# Altium PCB FPGA_Module.PcbDoc (part 2 of 5)
Units mm, origin at the board's own origin, x right, y up, seen from the top; angles counter-clockwise.
Board outline 40 x 50 mm, 6 copper layers (Top Layer, Int1 (GND), Int2 (Sign), Int3 (Sign), Int4 (GND), Bottom Layer), stack 1.49 mm thick; 168 components, 205 nets, 1176 pads, 667 vias.
Unrouted connection lines stored in the file: 1.
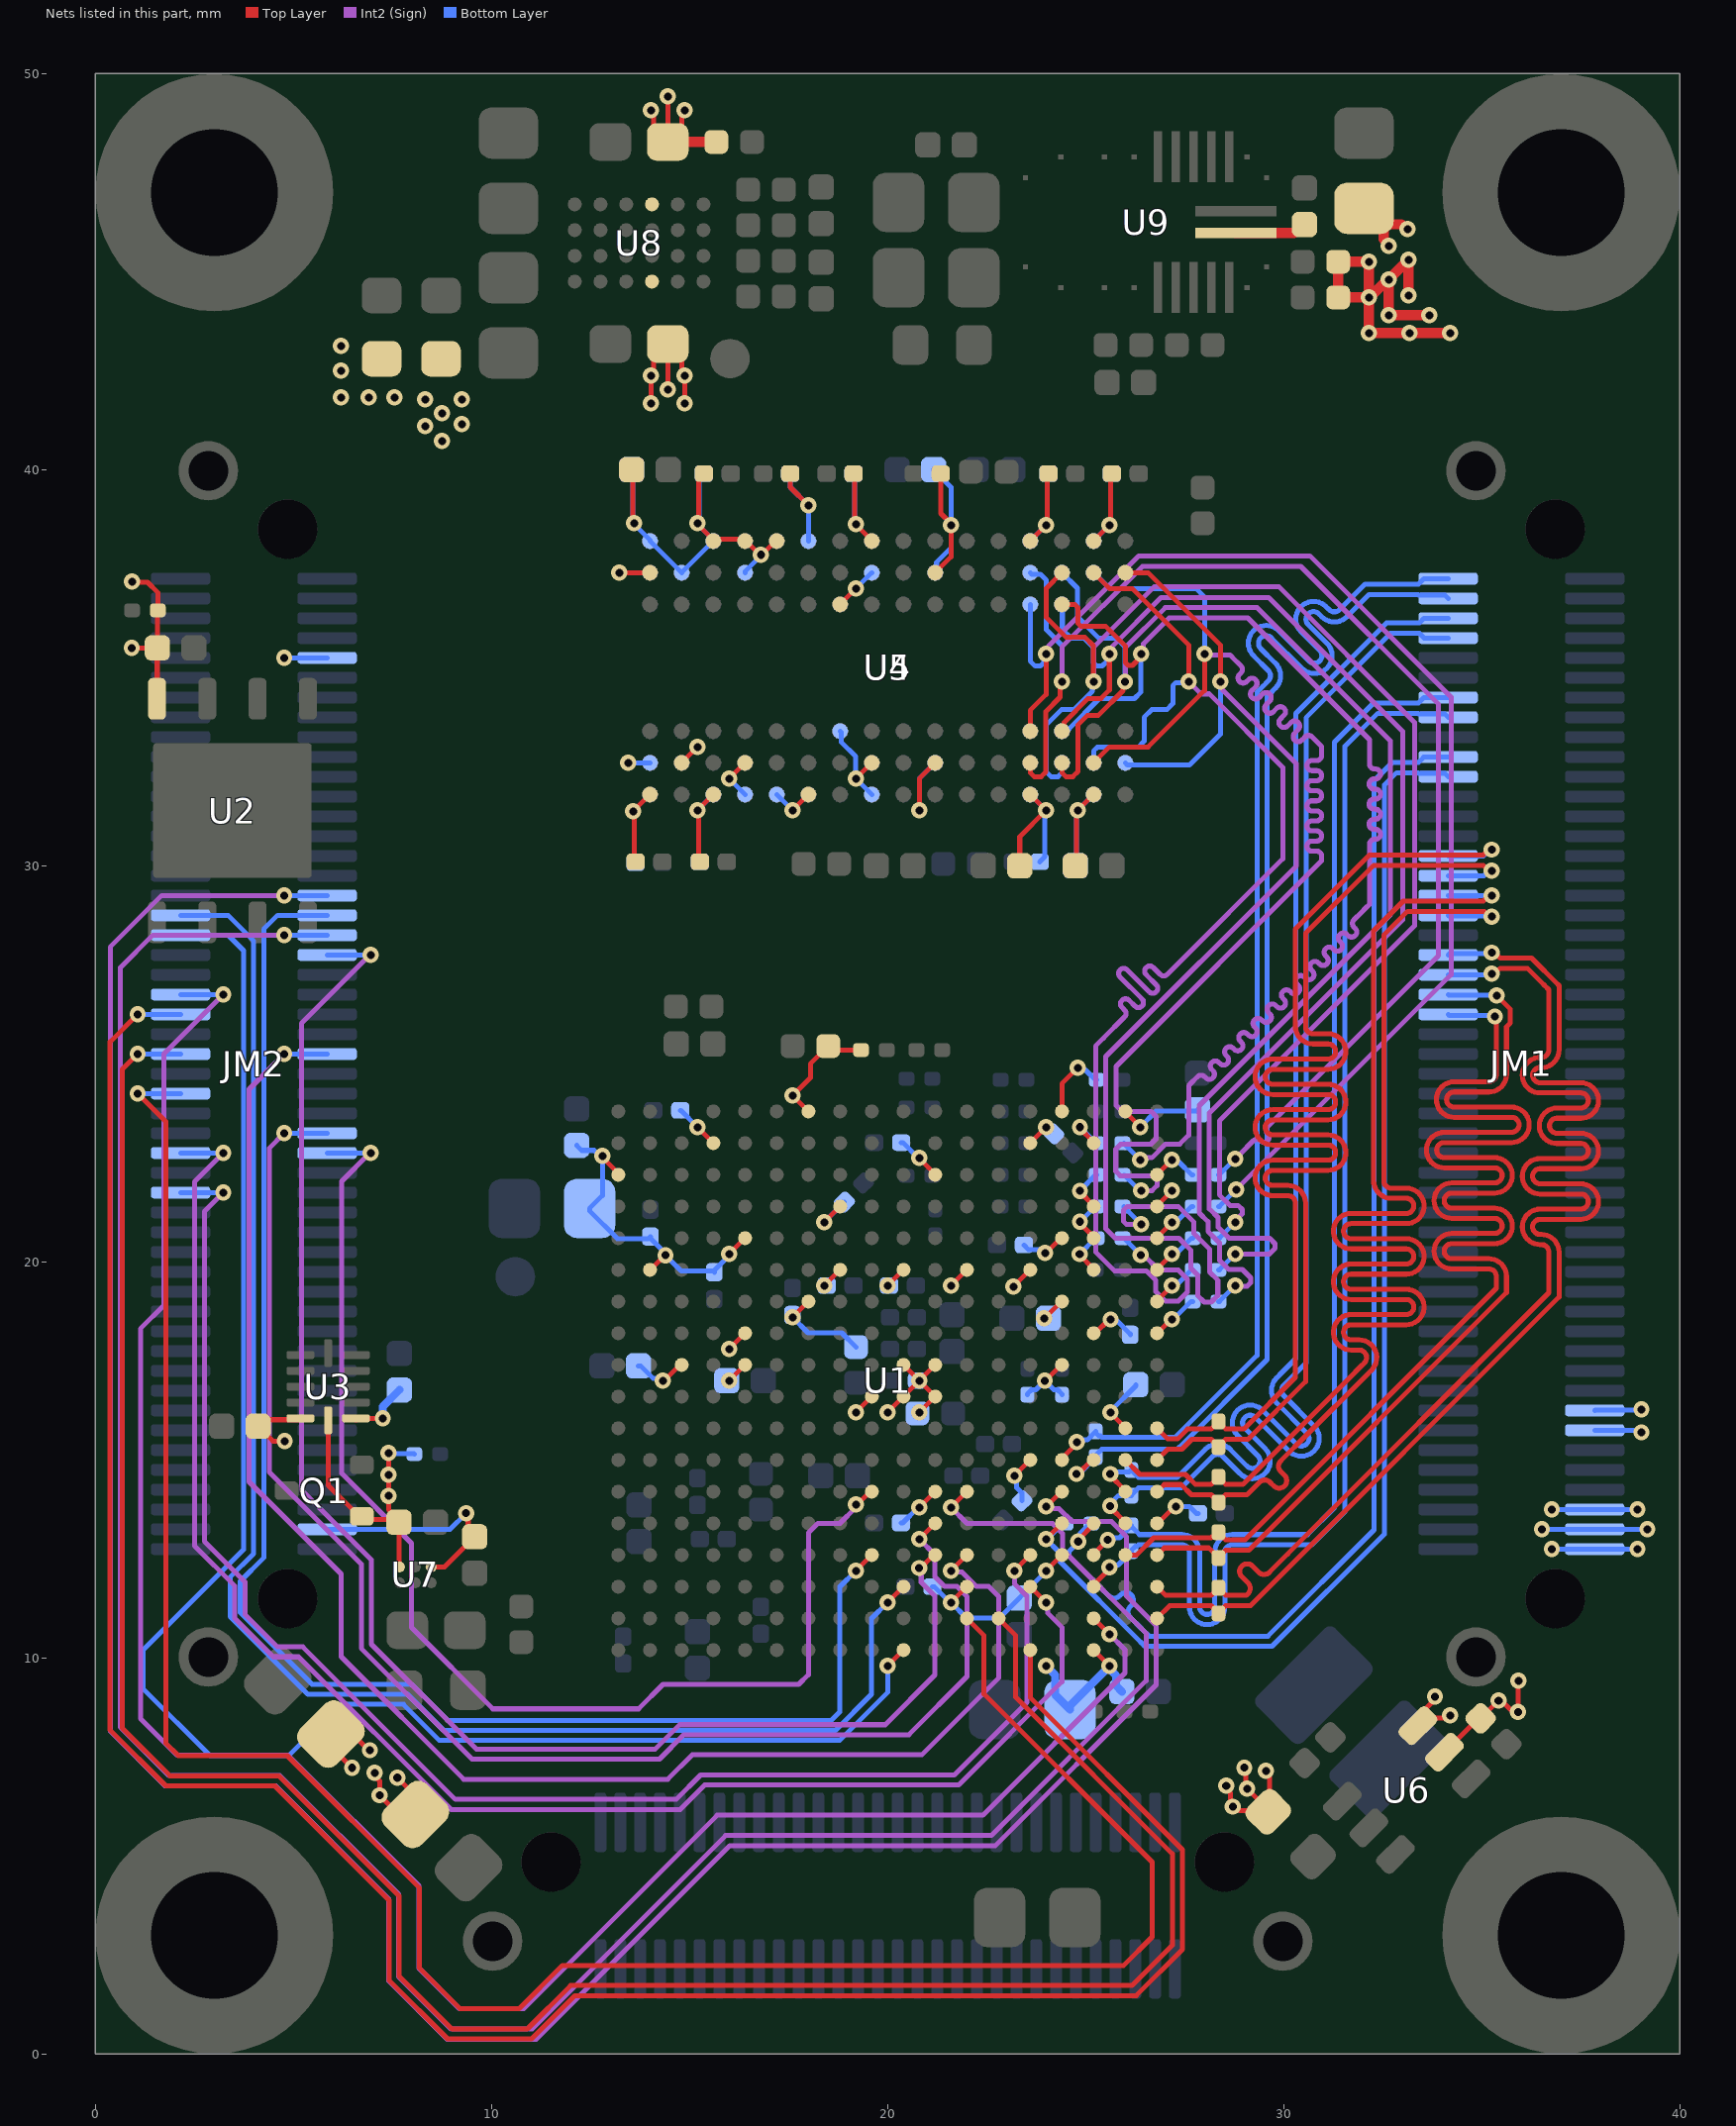
[diagram p6: the nets of this part, all layers, seen from the top]

## Via types
v1: diameter 0.406, hole 0.203, Top Layer to Bottom Layer, tented both sides, 667 vias

## Nets (pads, with @x,y where several pads share a name; then routed paths per layer and width w, separated by ;. In a path a pad name is that pad's centre, name@x,y a point inside that pad or via, vN(x,y) a via of type N, cw(c..) or ccw(c..) an arc to the next point about the centre after c; other vN are vias at no path point) (continued)
1V8: C2.1 C3.1 C49.2 C58.2 C59.2 C60.2 C61.2 C62.2 C63.2 FB1.2 JM2.91 R13.2 R14.2 R15.2 R57.2 U1.E10 U1.E11 U1.G12 U1.H13 U1.K13 U1.M13 U1.P13 U1.R10 U1.R12 U2.8 U3.11 | length 20.2
  Top Layer w0.127: v1(0.915,35.5) C3.1@1.565,35.5 ; v1(0.925,37.175) 0.944,37.156 1.319,37.156 1.575,36.9 R13.2@1.575,36.45 1.57,36.445 1.57,35.505 C3.1@1.565,35.5 ; U2.8@1.555,34.215 1.56,34.22 1.56,35.495 C3.1@1.565,35.5 ; v1(4.781,15.475) 4.485,15.475 C2.1@4.11,15.85 4.273,16.013 5.139,16.013 U3.11@5.175,16.05 ; v1(6.481,7.226) 5.947,7.76 C58.2@5.947,8.078 6.49,8.078 6.895,7.673 v1(6.928,7.673) ; v1(7.05,7.1) 7.05,7.024 7.176,6.898 v1(7.176,6.531) 7.66,6.047 C49.2@8.078,6.047 8.078,6.523 v1(7.623,6.978) ; v1(16,17) U1.E10@16.362,17.362 ; v1(16,17.8) U1.E11@16.362,18.162 ; v1(17.6,18.6) U1.G12@17.962,18.962 ; v1(18.4,19.4) U1.H13@18.762,19.762 ; v1(20,19.4) U1.K13@20.362,19.762 ; v1(21.6,19.4) U1.M13@21.962,19.762 ; v1(23.175,19.375) U1.P13@23.6,19.8 ; v1(23.95,18.575) 23.962,18.575 24.35,18.962 U1.R12@24.438,18.962 ; v1(23.968,17) 23.984,17 24.347,17.362 U1.R10@24.362,17.362
  Bottom Layer w0.127: v1(4.77,35.25) JM2.91@5.85,35.25 ; v1(17.6,18.6) 17.994,18.206 18.844,18.206 FB1.2@19.2,17.85 ; R15.2@23.525,16.65 23.525,16.662 23.635,16.772 23.74,16.772 v1(23.968,17) 24.197,16.772 24.29,16.772 24.4,16.662 R14.2@24.4,16.65
  other v1: 6.2,41.825 6.9,41.825 7.55,41.825 6.2,42.5 6.2,43.125
1V35: C1.1 C5.2 C6.2 C7.2 C8.2 C9.2 C10.2 C11.2 C12.2 C13.2 C14.2 C15.2 C17.2 C18.2 C19.2 C20.2 C21.2 C22.2 C23.2 C24.2 C25.2 C26.2 C27.2 C36.2 C37.2 C38.2 C39.2 C40.2 C41.2 C42.2 C43.2 C44.2 C45.2 C46.2 C47.2 C48.2 C84.2 Q1.2 R12.2 R27.2 R55.2 R58.2 U1.A16 U1.B13 U1.C10 U1.D17 U1.E14 U1.G18 U1.H15 U1.L16 U1.P17 U1.R14 U1.T11 U1.U8 U1.U18 U1.V15 U3.1 U3.12 U4.A1 U4.A8 U4.B2 U4.C1 U4.C9 U4.D2 U4.D9 U4.E9 U4.F1 U4.G7 U4.H2 U4.H9 U4.K2 U4.K8 U4.N1 U4.N9 U4.R1 U4.R9 U5.A1 U5.A8 U5.B2 U5.C1 U5.C9 U5.D2 U5.D9 U5.E9 U5.F1 U5.G7 U5.H2 U5.H9 U5.K2 U5.K8 U5.N1 U5.N9 U5.R1 U5.R9 U7.A2 | length 89.8
  Top Layer w0.127: U3.12@5.875,16 5.875,14.36 6.66,13.575 Q1.2@6.725,13.575 6.8,13.5 7.59,13.5 C84.2@7.665,13.425 ; U3.1@6.575,16.013 U3.1@6.575,16.05 v1(7.255,16.05) ; v1(7.4,15.175) v1(7.4,14.625) v1(7.4,14.092) 7.4,13.742 7.665,13.477 C84.2@7.665,13.425 ; U7.A2@7.675,12.3 7.67,12.305 7.67,13.42 C84.2@7.665,13.425 ; v1(12.8,22.675) 12.8,22.638 13.2,22.237 U1.A16@13.2,22.2 ; v1(13.225,37.4) U4.A8@14,37.4 ; C6.2@13.54,40 13.57,39.97 13.57,38.68 v1(13.6,38.65) ; C13.2@13.635,30.1 13.605,30.13 13.605,31.345 v1(13.575,31.375) U4.A1@14,31.8 ; U1.B13@14.038,19.838 14.049,19.838 14.379,20.167 v1(14.39,20.167) ; v1(14.325,17) 14.363,17 14.725,17.362 U1.C10@14.762,17.362 ; U4.B2@14.8,32.6 v1(15.2,33) ; v1(15.2,23.4) U1.D17@15.562,23.038 ; v1@15.2,38.625 15.6,38.225 U4.C9@15.6,38.2 15.646,38.246 16.354,38.246 U4.D9@16.4,38.2 ; v1(15.2,38.65) 15.233,38.683 15.233,39.773 C12.2@15.36,39.9 ; C7.2@15.26,30.1 15.23,30.13 15.23,31.37 v1(15.2,31.4) U4.C1@15.6,31.8 ; v1(16,20.2) U1.E14@16.362,20.562 ; v1(16,32.2) U4.D2@16.4,32.6 ; U4.D9@16.444,38.244 U4.D9@16.4,38.2 ; U4.E9@17.156,38.244 U4.E9@17.2,38.2 ; U4.E9@17.2,38.225 U4.E9@17.2,38.2 ; C8.2@17.54,39.9 17.54,39.56 v1(18,39.1) ; v1(17.6,31.4) U4.F1@18,31.8 ; U1.G18@17.962,23.838 v1(17.6,24.2) 17.607,24.2 18.05,24.643 18.05,25 R27.2@18.5,25.45 18.6,25.35 R58.2@19.325,25.35 ; v1(18.4,21) U1.H15@18.762,21.362 ; U4.G7@18.8,36.6 v1(19.2,37) ; C9.2@19.14,39.9 19.17,39.87 19.17,38.655 v1(19.2,38.625) 19.2,38.613 19.6,38.213 U4.H9@19.6,38.2 ; v1(19.2,32.2) U4.H2@19.6,32.6 ; v1(20.8,22.625) 20.8,22.613 21.2,22.212 U1.L16@21.2,22.2 ; v1(20.8,31.4) 20.8,32.2 U4.K2@21.2,32.6 ; U4.K8@21.2,37.4 21.6,37.8 v1(21.6,38.6) 21.6,38.637 21.34,38.897 C10.2@21.34,39.9 ; C17.2@23.335,30 23.335,30.735 v1(24,31.4) U4.N1@23.6,31.8 ; U1.P17@23.6,23 v1(24,23.4) ; U4.N9@23.6,38.2 v1(24,38.6) 24.03,38.63 24.03,39.87 C14.2@24.06,39.9 ; v1(23.975,20.225) 24,20.225 24.375,20.6 U1.R14@24.4,20.6 ; C11.2@24.74,30 24.77,30.03 24.77,31.37 v1(24.8,31.4) U4.R1@25.2,31.8 ; U1.T11@25.2,18.2 25.243,18.2 25.589,18.547 v1(25.632,18.547) ; U4.R9@25.2,38.2 v1(25.6,38.6) 25.63,38.63 25.63,39.87 C26.2@25.66,39.9 ; v1(25.625,16.2) 25.625,16.188 26,15.813 U1.U8@26,15.8 ; U1.U18@26,23.8 26,23.788 26.375,23.413 v1(26.375,23.4) ; U1.V15@26.8,21.4 26.8,21.413 27.175,21.788 v1(27.175,21.8) ; U4.D9@16.4,38.2 16.426,38.2 16.774,37.852 v1(16.8,37.852) 16.826,37.852 17.174,38.2 U4.E9@17.2,38.2
  Bottom Layer w0.127: v1(7.4,15.175) 7.412,15.162 8.037,15.162 R12.2@8.05,15.15 ; C41.2@12.15,22.94 12.276,22.814 12.586,22.814 12.725,22.675 v1(12.8,22.675) 12.8,21.675 C42.2@12.475,21.35 12.475,21.29 13.184,20.58 13.954,20.58 C46.2@14.011,20.638 14.011,20.596 14.39,20.217 v1(14.39,20.167) 14.789,19.769 15.596,19.769 C38.2@15.625,19.74 15.625,19.782 16,20.157 v1(16,20.2) ; v1@13.45,32.6 U5.A8@14,32.6 ; C18.2@13.54,40 13.57,39.97 13.57,38.68 v1(13.6,38.65) ; v1(13.575,31.375) 13.605,31.345 13.605,30.105 C15.2@13.635,30.075 ; v1@13.6,38.625 U5.A1@14,38.225 ; C44.2@13.71,17.375 13.762,17.375 14.084,17.053 14.272,17.053 v1(14.325,17) ; U5.A1@14,38.2 U5.B2@14.8,37.4 U5.C1@15.6,38.2 15.6,38.225 v1@15.2,38.625 ; C39.2@14.765,23.825 14.78,23.825 15.2,23.405 v1(15.2,23.4) ; v1(15.2,38.65) 15.24,38.69 15.24,39.78 C22.2@15.36,39.9 ; C20.2@15.26,30.1 15.23,30.13 15.23,31.37 v1(15.2,31.4) U5.C9@15.6,31.8 ; v1(16,32.2) U5.D9@16.4,31.8 ; U5.D2@16.4,37.4 16.4,37.426 16.8,37.826 v1(16.8,37.852) ; U5.E9@17.2,31.8 v1(17.6,31.4) ; C21.2@17.54,39.9 17.54,39.56 v1(18,39.1) U5.F1@18,38.2 ; v1(18.4,21) C47.2@18.91,21.51 ; U5.G7@18.8,33.4 18.825,33.375 18.825,33.127 19.191,32.762 19.191,32.21 v1(19.2,32.2) U5.H9@19.6,31.8 ; C24.2@19.14,39.9 19.17,39.87 19.17,38.655 v1(19.2,38.625) ; v1(19.2,37) U5.H2@19.6,37.4 ; C48.2@20.341,23.011 20.383,23.011 20.769,22.625 v1(20.8,22.625) ; v1(20.8,31.4) 20.8,32.2 U5.K8@21.2,32.6 ; C5.2@21.16,40 21.6,39.56 v1(21.6,38.6) 21.6,38.025 21.237,37.662 21.237,37.437 U5.K2@21.2,37.4 ; C45.2@23.44,20.425 23.561,20.304 23.82,20.304 23.899,20.225 v1(23.975,20.225) ; U5.N9@23.6,31.8 v1(24,31.4) 23.971,31.371 23.971,30.231 C25.2@23.84,30.1 ; U5.N1@23.6,38.2 v1(24,38.6) 24.03,38.63 24.03,39.87 C19.2@24.06,39.9 ; C23.2@24.74,30 24.77,30.03 24.77,31.37 v1(24.8,31.4) U5.R9@25.2,31.8 ; U5.R1@25.2,38.2 v1(25.6,38.6) 25.63,38.63 25.63,39.87 C27.2@25.66,39.9 ; v1(25.625,16.2) 25.625,16.23 26.265,16.87 C43.2@26.265,16.9 ; v1(25.632,18.547) 25.686,18.493 25.81,18.493 26.125,18.178 C37.2@26.125,18.16 ; v1(26.375,23.4) 26.781,23.806 27.791,23.806 C40.2@27.825,23.84
  Bottom Layer w0.2: v1(7.255,16.05) 7.258,16.053 7.258,16.348 C1.1@7.675,16.765
  other v1: 13.45,32.6 8.75,40.725 8.325,41.1 9.25,41.15 8.75,41.425 8.325,41.775 9.25,41.775
+3V3: C29.2 C30.2 C31.2 C32.2 C33.2 C34.2 C35.2 R54.2 U1.L6 U1.M3 U1.P7 U1.R4 U1.T1 U1.V5 | length 16.3
  Top Layer w0.127: v1(20.8,13.8) U1.L6@21.162,14.162 ; v1(21.6,11.4) U1.M3@21.962,11.762 ; v1(23.2,14.6) U1.P7@23.562,14.962 ; v1(24,12.2) U1.R4@24.362,12.562 ; U1.T1@25.238,10.162 v1(25.6,9.8) ; U1.V5@26.838,13.438 26.863,13.438 27.25,13.825 v1(27.275,13.825) ; v1(28.547,6.775) 28.547,6.699 28.659,6.587 28.659,6.298 v1(28.712,6.244) 28.788,6.244 28.89,6.142 29.583,6.142 R54.2@29.609,6.116 29.609,6.166 v1(29.075,6.7) 29.039,6.736 29.039,7.192 v1(29.003,7.228) ; v1(29.55,7.15) 29.55,7.074 29.645,6.98 R54.2@29.645,6.178
  Bottom Layer w0.127: C35.2@20.338,13.408 20.381,13.408 20.773,13.8 v1(20.8,13.8) ; C34.2@21.13,11.8 21.172,11.8 21.572,11.4 v1(21.6,11.4) 21.994,11.006 22.821,11.006 C30.2@23.325,11.51 23.325,11.518 24,12.193 v1(24,12.2) ; v1(23.2,14.6) 23.253,14.547 23.253,14.302 23.39,14.165 C33.2@23.39,13.965 ; v1(27.275,13.825) 27.618,13.825 27.793,13.65 C32.2@27.835,13.65
  Bottom Layer w0.203: v1(24,9.8) 24.23,9.57 24.23,9.07 C29.2@24.6,8.7 24.6,8.8 v1@25.562,9.762 ; v1(25.6,9.8) 25.6,9.724 25.764,9.561 25.764,9.301 C31.2@25.915,9.15
+3V3_IN: C71.2 C72.2 C77.2 C79.2 C80.2 JM1.1 JM1.3 JM1.5 JM1.13 JM1.15 R44.1 R45.2 R48.2 U6.5 U6.6 U8.C1 U8.C4 U9.22 | length 38
  Top Layer w0.127: v1(14.025,41.675) v1(14.025,42.375) 14.078,42.428 14.078,42.529 14.096,42.547 14.096,42.821 C80.2@14.45,43.175 14.5,43.175 14.558,43.117 14.558,43.058 14.804,42.812 14.804,42.522 14.875,42.451 v1(14.875,41.675) ; v1(14.025,49.075) 14.078,49.022 14.078,48.921 14.096,48.903 14.096,48.629 C79.2@14.45,48.275 14.5,48.275 14.558,48.333 14.558,48.392 14.804,48.638 14.804,48.928 14.875,48.999 v1(14.875,49.075) ; v1(14.45,42.025) 14.45,43.008 C80.2@14.533,43.092 ; v1(14.45,49.425) 14.45,48.442 C79.2@14.533,48.358 ; C72.2@30.471,46.19 C72.2@30.523,46.19 ; v1(33.818,9.024) 33.818,8.949 33.386,8.517 U6.6@33.386,8.291 33.574,8.478 34.052,8.478 34.124,8.55 v1(34.2,8.55) ; U6.5@33.87,7.432 U6.5@34.058,7.619 C77.2@34.943,8.504 ; C77.2@34.97,8.475 34.972,8.475 v1(35.422,8.924) 35.498,8.924 35.731,8.691 35.859,8.691 v1(35.912,8.637) 35.912,8.691 35.912,9.412 v1(35.925,9.425)
  Top Layer w0.254: C79.2@14.45,48.275 R48.2@15.675,48.275 ; U9.22@28.794,45.975 30.256,45.975 C72.2@30.471,46.19 ; C71.2@32.023,46.6 32.424,46.199 32.96,46.199 33.084,46.075 v1(33.125,46.075) ; C71.2@32.345,46.271 32.524,46.092 32.524,45.817 32.65,45.691 v1(32.65,45.65) ; v1(33.15,44.4) v1(33.15,45.3) v1(32.65,44.8) ; v1(33.675,43.9) v1(32.65,43.9) v1(32.65,44.8) ; v1(34.2,43.45) v1(33.175,43.45) v1(32.15,43.45) v1(32.15,44.35) ; v1(32.15,44.35) v1(32.15,45.25) R44.1@31.373,45.25 R45.2@31.373,44.35 v1(32.15,44.35) ; v1(32.15,44.35) 32.175,44.35 32.625,44.8 v1(32.65,44.8)
  Bottom Layer w0.127: v1(36.519,13.25) JM1.3@37.85,13.25 v1(39.181,13.25) ; v1(36.77,12.75) JM1.1@37.85,12.75 v1(38.93,12.75) ; v1(36.77,13.75) JM1.5@37.85,13.75 v1(38.93,13.75) ; JM1.13@37.85,15.75 38.898,15.75 38.955,15.693 v1(39.03,15.693) ; JM1.15@37.85,16.25 37.862,16.262 39.019,16.262 v1(39.031,16.274)
  other v1: 14.875,42.375
+3V3_IN_JM2: C85.2 JM2.3 U7.C2 | length 5.8
  Top Layer w0.127: U7.C2@8.475,12.3 8.815,12.3 C85.2@9.575,13.06 9.411,13.224 9.411,13.601 v1(9.358,13.654)
  Bottom Layer w0.127: JM2.3@5.85,13.25 8.954,13.25 v1(9.358,13.654)
ACQ_EN: JM2.51 U1.M4 | length 40.6
  Top Layer w0.127: v1(21.6,12.2) U1.M4@21.962,12.562
  Int2 (Sign) w0.127: v1(4.77,25.25) 3.879,24.359 3.879,14.446 6.204,12.121 6.204,10.032 9.299,6.937 14.45,6.937 15.066,7.553 20.862,7.553 22.8,9.491 22.8,11.557 22.55,11.806 22.237,11.806 21.873,12.17 21.63,12.17 v1(21.6,12.2)
  Bottom Layer w0.127: v1(4.77,25.25) JM2.51@5.85,25.25
ADC_CSn: JM2.65 U1.J4 | length 39.8
  Top Layer w0.127: v1(19.2,12.2) U1.J4@19.562,12.562
  Bottom Layer w0.127: JM2.65@5.85,28.75 4.6,28.75 4.25,28.4 4.25,12.528 3.654,11.932 3.654,11.151 5.468,9.337 7.984,9.337 8.896,8.425 18.578,8.425 18.794,8.64 18.794,11.794 v1(19.2,12.2)
ADC_PD: JM2.61 U1.L4 | length 39.4
  Top Layer w0.127: v1(20.796,12.269) 20.832,12.269 21.126,12.562 U1.L4@21.162,12.562
  Int2 (Sign) w0.127: v1(6.95,27.75) 6.93,27.75 5.2,26.02 5.2,14.243 6.966,12.477 6.966,10.347 9.614,7.699 14.135,7.699 14.751,8.315 19.94,8.315 21.194,9.569 21.194,11.563 20.849,11.908 20.849,12.216 v1(20.796,12.269)
  Bottom Layer w0.127: JM2.61@5.85,27.75 v1(6.95,27.75)
ADC_PG: JM2.67 U1.R6 | length 67.3
  Top Layer w0.127: v1(24,13.825) 24.012,13.825 24.35,14.162 U1.R6@24.362,14.162
  Int2 (Sign) w0.127: v1(4.77,29.25) 1.675,29.25 0.375,27.95 0.375,8.15 1.75,6.775 4.55,6.775 7.4,3.925 7.4,1.85 8.875,0.375 11.128,0.375 16.015,5.262 22.722,5.262 26.779,9.32 26.779,10.817 26.03,11.565 26.03,13.062 25.65,13.443 24.652,13.443 24.323,13.772 24.053,13.772 v1(24,13.825)
  Bottom Layer w0.127: v1(4.77,29.25) JM2.67@5.85,29.25
ADC_RSTn: JM2.63 U1.M6 | length 66.8
  Top Layer w0.127: v1(21.6,13.8) U1.M6@21.962,14.162
  Int2 (Sign) w0.127: v1(4.77,28.25) 1.45,28.25 0.629,27.429 0.629,8.255 1.855,7.029 4.655,7.029 7.654,4.03 7.654,1.955 8.98,0.629 11.022,0.629 15.91,5.516 22.616,5.516 26.525,9.425 26.525,10.625 24.416,12.734 24.416,13.141 24.163,13.394 22.006,13.394 v1(21.6,13.8)
  Bottom Layer w0.127: v1(4.77,28.25) JM2.63@5.85,28.25
ADC_SCLK: JM2.41 U1.J6 | length 31
  Top Layer w0.127: v1(19.2,13.875) 19.237,13.875 19.525,14.162 U1.J6@19.562,14.162
  Int2 (Sign) w0.127: v1(6.95,22.75) 6.93,22.75 6.216,22.036 6.216,14.664 7.982,12.898 7.982,10.768 10.035,8.715 13.714,8.715 14.33,9.331 17.756,9.331 18,9.575 18,13.157 18.237,13.394 18.794,13.394 19.2,13.8 v1(19.2,13.875)
  Bottom Layer w0.127: JM2.41@5.85,22.75 v1(6.95,22.75)
ADC_SDATA: JM2.43 U1.L5 | length 37.2
  Top Layer w0.127: v1(20.8,13) U1.L5@21.162,13.362
  Int2 (Sign) w0.127: v1(4.77,23.25) 4.387,22.867 4.387,14.697 6.712,12.372 6.712,10.242 9.509,7.445 14.24,7.445 14.856,8.061 20.536,8.061 22.006,9.531 22.006,11.55 21.75,11.806 21.437,11.806 21.194,12.05 21.194,12.606 v1(20.8,13)
  Bottom Layer w0.127: v1(4.77,23.25) JM2.43@5.85,23.25
AGND: C64.1 FB2.1 U1.J9 U1.K9 U1.K10 U1.L9 U1.L10 | length 3.7
  Top Layer w0.127: v1(19.2,16.2) U1.J9@19.562,16.562 ; v1(20,16.2) U1.K9@20.362,16.562 ; U1.K9@20.4,16.6 v1(20.8,17) ; U1.K10@20.4,17.4 v1(20.8,17) ; v1(20.8,16.2) U1.L9@21.162,16.562 ; U1.L10@21.162,17.362 v1(20.8,17) ; U1.L9@21.2,16.6 v1(20.8,17)
ATTEN_1: JM2.38 U1.P4 | length 39
  Top Layer w0.127: v1(23.2,12.2) U1.P4@23.562,12.562
  Int2 (Sign) w0.127: v1(3.23,21.75) 2.754,21.274 2.754,12.941 3.775,11.92 3.775,11.1 4.595,10.28 5.237,10.28 9.088,6.429 14.661,6.429 15.277,7.045 21.684,7.045 23.518,8.878 23.518,11.557 23.2,11.875 v1(23.2,12.2)
  Bottom Layer w0.127: JM2.38@2.15,21.75 v1(3.23,21.75)
ATTEN_2: JM2.48 U1.M2 | length 57.4
  Top Layer w0.127: v1(1.07,24.25) 1.775,23.545 1.775,7.853 2.096,7.532 4.843,7.532 8.175,4.2 8.175,2.178 9.21,1.142 10.692,1.142 11.787,2.237 25.959,2.237 26.679,2.957 26.679,4.843 22.435,9.088 22.435,10.565 U1.M2@22,11
  Bottom Layer w0.127: v1(1.07,24.25) JM2.48@2.15,24.25
ATTEN_3: JM2.56 U1.P1 | length 61
  Top Layer w0.127: v1(1.07,26.25) 0.371,25.551 0.371,8.179 1.78,6.77 4.527,6.77 7.413,3.884 7.413,1.862 8.895,0.38 11.008,0.38 12.103,1.475 26.275,1.475 27.441,2.641 27.441,5.159 23.6,9 U1.P1@23.6,10.2
  Bottom Layer w0.127: v1(1.07,26.25) JM2.56@2.15,26.25
ATTEN_4: JM2.64 U1.K1 | length 43.5
  Top Layer w0.127: v1(20,9.8) U1.K1@20.362,10.162
  Bottom Layer w0.127: JM2.64@2.15,28.247 3.353,28.247 3.742,27.858 3.742,12.739 1.2,10.196 1.2,9.228 2.891,7.537 4.884,7.537 6.176,8.829 7.774,8.829 8.686,7.917 18.789,7.917 20,9.128 v1(20,9.8)
D1A_N: JM1.58 R6.1 U1.V4 | length 33.1
  Top Layer w0.127: U1.V4@26.8,12.6 26.809,12.6 26.986,12.777 28.11,12.777 R6.1@28.35,12.537 ; R6.1@28.35,12.525 R6.1@28.35,12.537 ; v1(35.375,26.725) 35.722,26.378 35.722,26.031 35.624,25.933 35.624,25.867 35.624,25.854 35.624,24.737 cw(c35.176,24.737) 35.176,24.289 34.302,24.289 ccw(c34.302,24.098) 34.112,24.098 ccw(c34.302,24.098) 34.302,23.908 35.749,23.908 cw(c35.749,23.46) 36.197,23.46 cw(c35.749,23.46) 35.749,23.012 34.05,23.012 ccw(c34.05,22.822) 33.859,22.822 ccw(c34.05,22.822) 34.05,22.631 35.322,22.631 cw(c35.322,22.184) 35.77,22.184 cw(c35.322,22.184) 35.322,21.736 34.243,21.736 ccw(c34.243,21.546) 34.052,21.546 ccw(c34.243,21.546) 34.243,21.355 35.322,21.355 cw(c35.322,20.907) 35.77,20.907 cw(c35.322,20.907) 35.322,20.46 34.243,20.46 ccw(c34.243,20.269) 34.052,20.269 ccw(c34.243,20.269) 34.243,20.079 35.176,20.079 cw(c35.176,19.631) 35.624,19.631 35.624,19.439 35.624,19.224 29.121,12.721 28.534,12.721 R6.1@28.35,12.537
  Bottom Layer w0.127: JM1.58@34.15,26.75 34.163,26.738 35.362,26.738 v1(35.375,26.725)
D1A_P: JM1.56 R6.2 U1.U4 | length 32.8
  Top Layer w0.127: U1.U4@26,12.6 26.283,12.6 26.718,13.035 28.164,13.035 28.183,13.053 28.24,13.053 R6.2@28.35,13.163 ; R6.2@28.35,13.175 R6.2@28.35,13.163 ; v1(35.328,26.194) 35.367,26.155 35.367,25.854 35.367,25.761 35.367,24.737 cw(c35.176,24.737) 35.176,24.546 34.302,24.546 ccw(c34.302,24.098) 33.854,24.098 ccw(c34.302,24.098) 34.302,23.651 35.749,23.651 cw(c35.749,23.46) 35.939,23.46 cw(c35.749,23.46) 35.749,23.27 34.05,23.27 ccw(c34.05,22.822) 33.602,22.822 ccw(c34.05,22.822) 34.05,22.374 35.322,22.374 cw(c35.322,22.184) 35.513,22.184 cw(c35.322,22.184) 35.322,21.993 34.243,21.993 ccw(c34.243,21.546) 33.795,21.546 ccw(c34.243,21.546) 34.243,21.098 35.322,21.098 cw(c35.322,20.907) 35.513,20.907 cw(c35.322,20.907) 35.322,20.717 34.243,20.717 ccw(c34.243,20.269) 33.795,20.269 ccw(c34.243,20.269) 34.243,19.821 35.176,19.821 cw(c35.176,19.631) 35.367,19.631 35.367,19.439 35.367,19.33 29.015,12.979 28.534,12.979 R6.2@28.35,13.163
  Bottom Layer w0.127: JM1.56@34.15,26.25 34.178,26.222 35.3,26.222 v1(35.328,26.194)
D1B_N: JM1.62 R8.1 U1.V2 | length 33
  Top Layer w0.127: U1.V2@26.8,11 27.121,11.321 27.449,11.321 28.166,11.321 R8.1@28.35,11.137 ; R8.1@28.35,11.125 R8.1@28.35,11.137 ; v1(35.25,27.808) 35.326,27.808 35.464,27.67 36.255,27.67 36.937,26.988 36.95,26.975 36.95,26.797 ; 36.95,26.796 36.95,25.351 cw(c36.502,25.351) 36.502,24.904 36.472,24.904 ccw(c36.472,24.713) 36.281,24.713 ccw(c36.472,24.713) 36.472,24.523 37.498,24.523 cw(c37.498,24.075) 37.946,24.075 cw(c37.498,24.075) 37.498,23.627 36.898,23.627 ccw(c36.898,23.437) 36.708,23.437 ccw(c36.898,23.437) 36.898,23.246 37.498,23.246 cw(c37.498,22.798) 37.946,22.798 cw(c37.498,22.798) 37.498,22.351 36.472,22.351 ccw(c36.472,22.16) 36.281,22.16 ccw(c36.472,22.16) 36.472,21.97 37.498,21.97 cw(c37.498,21.522) 37.946,21.522 cw(c37.498,21.522) 37.498,21.074 36.472,21.074 ccw(c36.472,20.884) 36.281,20.884 ccw(c36.472,20.884) 36.472,20.693 36.502,20.693 cw(c36.502,20.246) 36.95,20.246 36.95,20.053 36.95,19.111 29.16,11.321 28.534,11.321 R8.1@28.35,11.137